# Altium PCB HSBNE-MOTOR.PcbDoc (part 2 of 2) (continued)
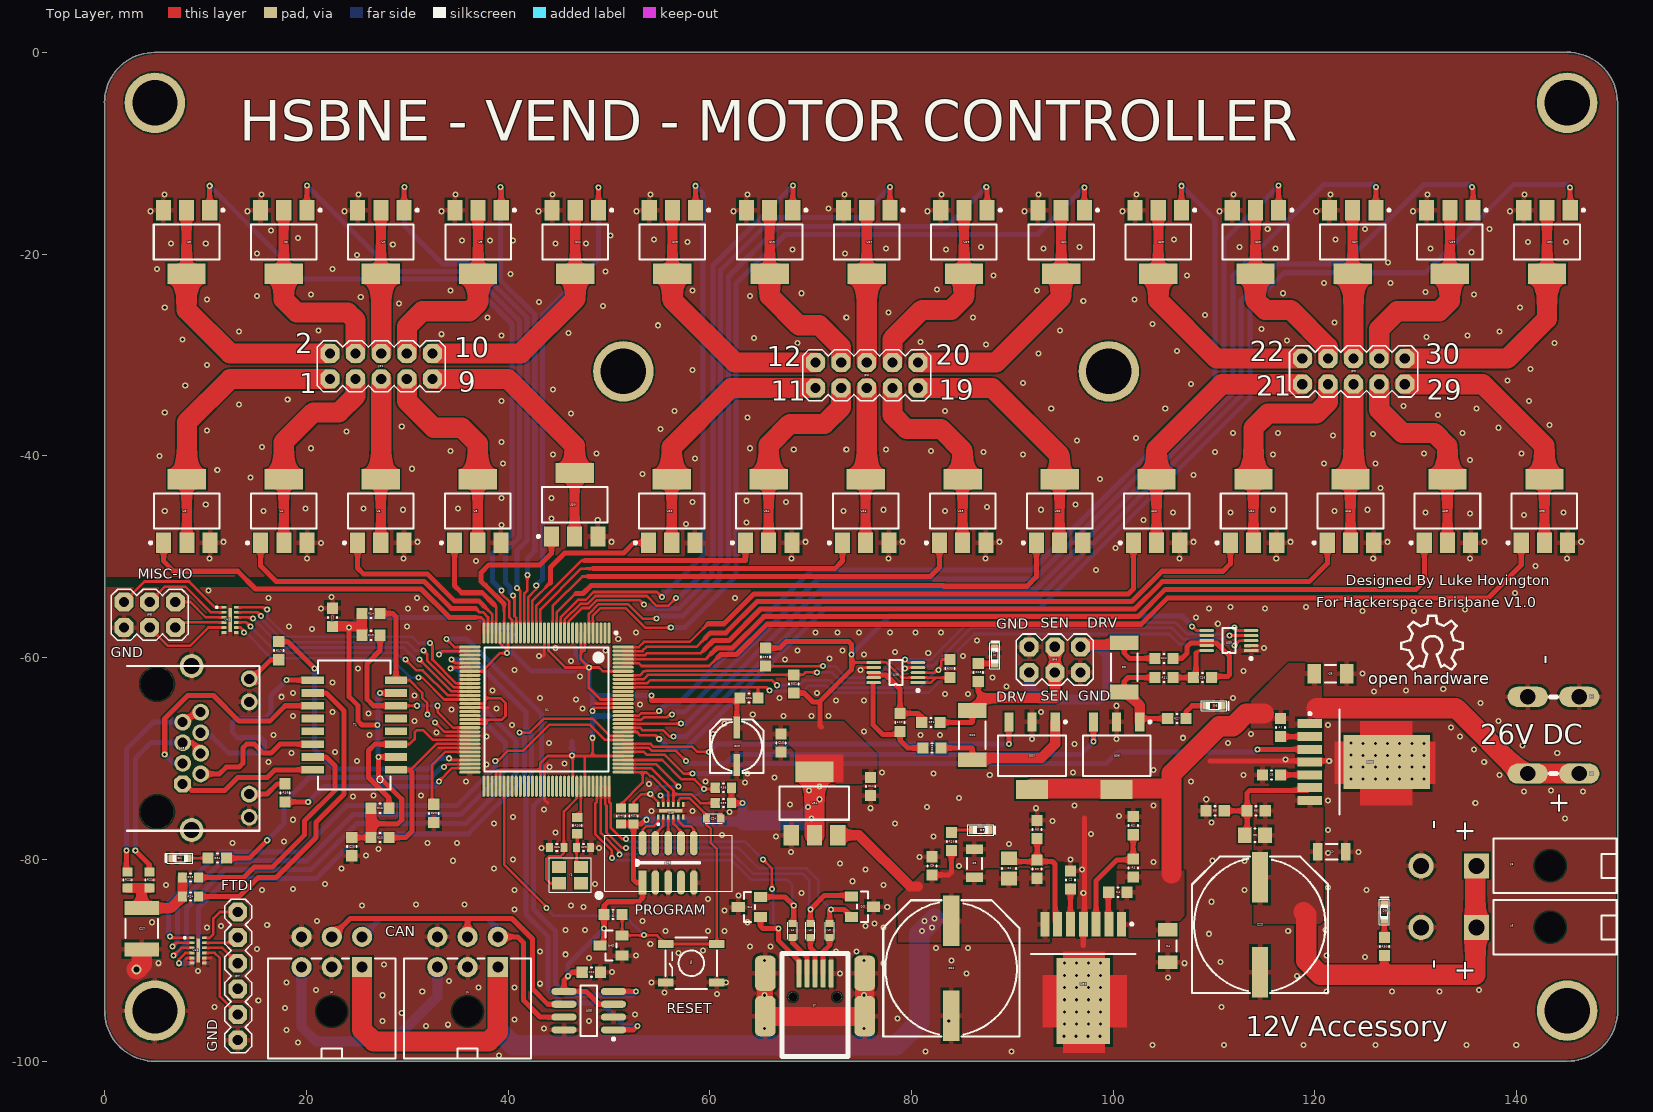
[diagram p0: Top Layer view]
## Nets (pads, with @x,y where several pads share a name; then routed paths per layer and width w, separated by ;. In a path a pad name is that pad's centre, name@x,y a point inside that pad or via, vN(x,y) a via of type N, cw(c..) or ccw(c..) an arc to the next point about the centre after c; other vN are vias at no path point) (continued)
MC24: U1.110 U25.1 | length 98
  Top Layer w0.254: U1.110@51.415,-66.151 53.229,-66.151 53.467,-65.913 55.753,-65.913 56.007,-65.659 v1(56.261,-65.659)
  Top Layer w0.5: U25.1@116.4,-15.646 116.4,-13.212 v1(116.405,-13.208)
  Bottom Layer w0.5: v1(56.261,-65.659) 56.515,-65.405 57.531,-65.405 70.739,-52.197 92.202,-52.197 110.998,-33.401 110.998,-18.615 v1(116.405,-13.208)
MC25: U1.126 U26.1 | length 75.6
  Top Layer w0.254: U1.126@51.415,-59.751 53.594,-59.751 ; 53.594,-59.747 53.778,-59.563 59.105,-59.563 59.486,-59.182
  Top Layer w0.5: 59.486,-59.182 60.372,-58.296 61.923,-58.296 65.034,-55.185 102.142,-55.185 104.857,-52.47 119.424,-52.47 121.221,-50.673 U26.1@121.221,-48.616
MC26: U1.109 U27.1 | length 106
  Top Layer w0.254: U1.109@51.415,-66.551 v1(57.147,-66.551)
  Top Layer w0.5: U27.1@126.034,-15.646 126.034,-13.357 v1(126.057,-13.335)
  Bottom Layer w0.5: v1(57.147,-66.551) 57.655,-66.551 70.971,-53.235 92.384,-53.235 111.886,-33.733 ; 111.887,-33.733 111.887,-22.098 120.904,-13.081 125.803,-13.081 v1(126.057,-13.335)
MC27: U1.125 U28.1 | length 86.4
  Top Layer w0.254: U1.125@51.415,-60.151 59.61,-60.151 60.198,-59.563
  Top Layer w0.5: 60.198,-59.563 60.711,-59.05 62.235,-59.05 65.346,-55.939 102.454,-55.939 105.169,-53.224 130.037,-53.224 130.835,-52.426 U28.1@130.835,-48.616
MC28: U1.108 U29.1 | length 115.2
  Top Layer w0.254: U1.108@51.415,-66.951 53.086,-66.951 53.318,-67.183 55.372,-67.183 56.007,-67.818 v1(56.388,-67.818)
  Top Layer w0.5: v1(135.582,-13.335) 135.668,-13.422 U29.1@135.668,-15.646
  Bottom Layer w0.5: v1(56.388,-67.818) 57.658,-67.818 71.374,-54.102 92.584,-54.102 112.649,-34.037 112.649,-24.638 116.332,-20.955 122.936,-20.955 130.81,-13.081 135.328,-13.081 v1(135.582,-13.335)
MC29: U1.124 U30.1 | length 95.5
  Top Layer w0.254: U1.124@51.415,-60.551 52.959,-60.551 ; 52.959,-60.555 53.237,-60.833 59.944,-60.833 60.833,-59.944
  Top Layer w0.5: 60.833,-59.944 61.077,-59.7 62.651,-59.7 65.658,-56.693 102.766,-56.693 105.357,-54.102 137.16,-54.102 140.448,-50.814 U30.1@140.448,-48.616
MC30: U1.107 U31.1 | length 125.5
  Top Layer w0.254: U1.107@51.415,-67.351 52.832,-67.351 52.832,-67.437 53.107,-67.712 54.631,-67.712 v1(54.991,-68.072)
  Top Layer w0.5: v1@145.234,-13.335 v1(145.302,-13.403) U31.1@145.302,-15.646
  Bottom Layer w0.5: v1(54.991,-68.072) 55.88,-68.961 57.658,-68.961 71.501,-55.118 92.71,-55.118 113.538,-34.29 113.538,-25.273 116.967,-21.844 130.937,-21.844 139.7,-13.081 144.98,-13.081 v1(145.302,-13.403)
MO1: JP1.1 U2.2 U2.4 | length 27.9
  Top Layer w1: U2.2@8.161,-48.616 U2.4@8.161,-42.316
  Top Layer w2: U2.4@8.161,-42.316 8.161,-36.67 12.446,-32.385 JP1.1@22.352,-32.385
MO2: JP1.2 U3.2 U3.4 | length 25.9
  Top Layer w1: U3.4@8.128,-21.946 U3.2@8.128,-15.646
  Top Layer w2: U3.4@8.128,-21.946 8.128,-25.527 12.446,-29.845 JP1.2@22.352,-29.845
MO3: JP1.3 U4.2 U4.4 | length 20.7
  Top Layer w1: U4.2@17.774,-48.616 U4.4@17.774,-42.316
  Top Layer w2: U4.4@17.774,-42.316 17.774,-38.614 20.701,-35.687 23.241,-35.687 24.892,-34.036 JP1.3@24.892,-32.385
MO4: JP1.4 U5.2 U5.4 | length 20.1
  Top Layer w1: U5.4@17.762,-21.946 U5.2@17.762,-15.646
  Top Layer w2: U5.4@17.762,-21.946 17.762,-24.493 19.05,-25.781 24.13,-25.781 24.892,-26.543 JP1.4@24.892,-29.845
MO5: JP1.5 U6.2 U6.4 | length 16.2
  Top Layer w1: U6.2@27.388,-48.616 U6.4@27.388,-42.316
  Top Layer w2: U6.4@27.388,-42.316 27.432,-42.272 JP1.5@27.432,-32.385
MO6: JP1.6 U7.2 U7.4 | length 14.2
  Top Layer w1: U7.4@27.396,-21.946 U7.2@27.396,-15.646
  Top Layer w2: U7.4@27.396,-21.946 27.432,-21.982 JP1.6@27.432,-29.845
MO7: JP1.7 U8.2 U8.4 | length 20.8
  Top Layer w1: U8.2@37.001,-48.616 U8.4@37.001,-42.316
  Top Layer w2: JP1.7@29.972,-32.385 29.972,-34.544 32.639,-37.211 35.433,-37.211 37.001,-38.779 U8.4@37.001,-42.316
MO8: JP1.8 U9.2 U9.4 | length 19.9
  Top Layer w1: U9.4@37.03,-21.946 U9.2@37.03,-15.646
  Top Layer w2: JP1.8@29.972,-29.845 29.972,-27.178 31.496,-25.654 36.195,-25.654 37.03,-24.819 U9.4@37.03,-21.946
MO9: JP1.9 U10.2 U10.4 | length 26.5
  Top Layer w1: U10.2@46.609,-48.26 U10.4@46.609,-41.96
  Top Layer w2: JP1.9@32.512,-32.385 40.005,-32.385 46.614,-38.994 U10.4@46.614,-42.316
MO10: JP1.10 U11.2 U11.4 | length 25.2
  Top Layer w1: U11.4@46.663,-21.946 U11.2@46.663,-15.646
  Top Layer w2: JP1.10@32.512,-29.845 41.275,-29.845 46.663,-24.457 U11.4@46.663,-21.946
MO11: JP2.1 U12.2 U12.4 | length 26.2
  Top Layer w1: U12.2@56.228,-48.616 U12.4@56.228,-42.316
  Top Layer w2: U12.4@56.228,-42.316 56.228,-39.149 62.103,-33.274 JP2.1@70.485,-33.274
MO12: JP2.2 U13.2 U13.4 | length 25.7
  Top Layer w1: U13.4@56.297,-21.946 U13.2@56.297,-15.646
  Top Layer w2: U13.4@56.297,-21.946 56.297,-24.547 62.484,-30.734 JP2.2@70.485,-30.734
MO13: JP2.3 U14.2 U14.4 | length 20.3
  Top Layer w1: U14.2@65.841,-48.616 U14.4@65.841,-42.316
  Top Layer w2: U14.4@65.841,-42.316 65.841,-38.934 67.945,-36.83 71.374,-36.83 73.025,-35.179 JP2.3@73.025,-33.274
MO14: JP2.4 U15.2 U15.4 | length 19.2
  Top Layer w1: U15.4@65.931,-21.946 U15.2@65.931,-15.646
  Top Layer w2: U15.4@65.931,-21.946 65.931,-24.148 68.834,-27.051 70.866,-27.051 73.025,-29.21 JP2.4@73.025,-30.734
MO15: JP2.5 U16.2 U16.4 | length 15.2
  Top Layer w1: U16.2@75.454,-48.616 U16.4@75.454,-42.316
  Top Layer w2: U16.4@75.565,-42.205 JP2.5@75.565,-33.274
MO16: JP2.6 U17.2 U17.4 | length 15.1
  Top Layer w1: U17.4@75.565,-21.946 U17.2@75.565,-15.646
  Top Layer w2: JP2.6@75.565,-30.734 U17.4@75.565,-21.946
MO17: JP2.7 U18.2 U18.4 | length 20.2
  Top Layer w1: U18.2@85.068,-48.616 U18.4@85.068,-42.316
  Top Layer w2: JP2.7@78.105,-33.274 78.105,-35.941 79.502,-37.338 82.931,-37.338 85.068,-39.475 U18.4@85.068,-42.316
MO18: JP2.8 U19.2 U19.4 | length 19.7
  Top Layer w1: U19.4@85.199,-21.946 U19.2@85.199,-15.646
  Top Layer w2: JP2.8@78.105,-30.734 78.105,-28.448 81.026,-25.527 83.947,-25.527 85.199,-24.275 U19.4@85.199,-21.946
MO19: JP2.9 U20.2 U20.4 | length 25.5
  Top Layer w1: U20.2@94.681,-48.616 U20.4@94.681,-42.316
  Top Layer w2: JP2.9@80.645,-33.274 88.011,-33.274 94.681,-39.944 U20.4@94.681,-42.316
MO20: JP2.10 U21.2 U21.4 | length 25.5
  Top Layer w1: U21.4@94.833,-21.946 U21.2@94.833,-15.646
  Top Layer w2: JP2.10@80.645,-30.734 88.392,-30.734 94.833,-24.293 U21.4@94.833,-21.946
MO21: JP3.1 U22.2 U22.4 | length 26.4
  Top Layer w1: U22.2@104.295,-48.616 U22.4@104.295,-42.316
  Top Layer w2: U22.4@104.295,-42.316 104.295,-39.342 110.744,-32.893 JP3.1@118.745,-32.893
MO22: JP3.2 U23.2 U23.4 | length 25.6
  Top Layer w1: U23.4@104.467,-21.946 U23.2@104.467,-15.646
  Top Layer w2: U23.4@104.467,-21.946 104.467,-24.584 110.236,-30.353 JP3.2@118.745,-30.353
MO23: JP3.3 U24.2 U24.4 | length 21.6
  Top Layer w1: U24.2@113.908,-48.616 U24.4@113.908,-42.316
  Top Layer w2: U24.4@113.908,-42.316 113.908,-37.222 115.316,-35.814 120.142,-35.814 121.285,-34.671 JP3.3@121.285,-32.893
MO24: JP3.4 U25.2 U25.4 | length 19.2
  Top Layer w1: U25.4@114.1,-21.946 U25.2@114.1,-15.646
  Top Layer w2: U25.4@114.1,-21.946 114.1,-24.565 115.062,-25.527 117.602,-25.527 121.285,-29.21 JP3.4@121.285,-30.353
MO25: JP3.5 U26.2 U26.4 | length 15.8
  Top Layer w1: U26.2@123.521,-48.616 U26.4@123.521,-42.316
  Top Layer w2: U26.4@123.521,-42.316 123.825,-42.012 JP3.5@123.825,-32.893
MO26: JP3.6 U27.2 U27.4 | length 14.7
  Top Layer w1: U27.4@123.734,-21.946 U27.2@123.734,-15.646
  Top Layer w2: U27.4@123.734,-21.946 123.825,-22.037 JP3.6@123.825,-30.353
MO27: JP3.7 U28.2 U28.4 | length 20.4
  Top Layer w1: U28.2@133.135,-48.616 U28.4@133.135,-42.316
  Top Layer w2: JP3.7@126.365,-32.893 126.365,-35.433 128.651,-37.719 131.826,-37.719 133.135,-39.028 U28.4@133.135,-42.316
MO28: JP3.8 U29.2 U29.4 | length 20.1
  Top Layer w1: U29.4@133.368,-21.946 U29.2@133.368,-15.646
  Top Layer w2: JP3.8@126.365,-30.353 126.365,-27.432 128.143,-25.654 132.334,-25.654 133.368,-24.62 U29.4@133.368,-21.946
MO29: JP3.9 U30.2 U30.4 | length 26
  Top Layer w1: U30.2@142.748,-48.616 U30.4@142.748,-42.316
  Top Layer w2: JP3.9@128.905,-32.893 136.652,-32.893 142.748,-38.989 U30.4@142.748,-42.316
MO30: JP3.10 U31.2 U31.4 | length 26.5
  Top Layer w1: U31.4@143.002,-21.946 U31.2@143.002,-15.646
  Top Layer w2: JP3.10@128.905,-30.353 139.065,-30.353 143.002,-26.416 U31.4@143.002,-21.946
NetC1_1: C1.1 R3.1 R5.2 U32.6 | length 13.1
  Top Layer w0.5: C1.1@89.662,-80.229 92.302,-80.229 R3.1@92.456,-80.075 ; R5.2@92.456,-77.938 92.456,-80.213 93.98,-80.213 94.234,-80.467 94.234,-86.166 U32.6@94.488,-86.42
NetC2_2: C2.2 U32.5 | length 3.8
  Top Layer w0.5: U32.5@95.758,-86.42 C2.2@95.758,-82.61
NetC5_1: C5.1 R6.1 R8.2 U33.6 | length 13
  Top Layer w0.5: R8.2@111.009,-75.184 R6.1@113.273,-75.184 ; C5.1@113.046,-77.597 113.273,-77.37 R6.1@113.273,-75.184 ; U33.6@119.491,-72.898 119.237,-73.152 113.538,-73.152 113.273,-73.417 R6.1@113.273,-75.184
NetC6_2: C6.2 U33.5 | length 2.9
  Top Layer w0.5: C6.2@116.597,-71.628 U33.5@119.491,-71.628
NetC25_2: C25.2 R20.2 Y1.1 | length 3.6
  Top Layer w0.254: R20.2@46.863,-77.357 46.863,-78.751 C25.2@46.798,-78.816 46.798,-80.326 Y1.1@47.244,-80.772
NetC26_2: C26.2 U1.88 Y1.3 | length 12.5
  Top Layer w0.254: Y1.3@45.044,-82.372 44.196,-82.372 43.815,-81.991 43.815,-79.959 44.069,-79.705 45.212,-79.705 45.531,-79.386 C26.2@45.531,-78.816 45.531,-75.246 46.815,-73.962 U1.88@46.815,-72.751
NetC27_1: C27.1 R21.2 R22.2 R23.2 R24.2 | length 10.4
  Top Layer w1: R22.2@2.286,-82.842 R21.2@4.445,-82.842 ; 3.683,-82.969 C27.1@3.683,-84.818 3.701,-84.836 6.566,-84.836 R24.2@7.709,-83.693 R23.2@7.709,-81.788
NetD1_1: D1.1 R34.1 | length 2
  Top Layer w0.254: D1.1@8.255,-79.883 R34.1@10.276,-79.883
NetD6_1: D6.1 R27.1 | length 2.9
  Top Layer w0.5: R27.1@107.199,-66.04 107.199,-65.394 107.823,-64.77 D6.1@109.22,-64.77
NetD7_1: D7.1 R28.1 | length 1.6
  Top Layer w0.5: R28.1@86.625,-60.579 D7.1@88.265,-60.579
NetD8_1: D8.1 R29.1 | length 1.9
  Top Layer w0.254: R29.1@84.19,-77.089 D8.1@86.106,-77.089
NetD9_1: D9.1 R30.1 | length 1.8
  Top Layer w0.5: R30.1@126.873,-87.746 D9.1@126.873,-85.979
NetJ7_2: J7.2 L1.2 | length 4.1
  Top Layer w0.5: L1.2@68.199,-87.76 68.199,-88.265 69.634,-89.7 J7.2@69.634,-91.313
NetJ7_3: J7.3 L2.2 | length 3.7
  Top Layer w0.5: L2.2@69.977,-87.76 69.977,-88.773 70.434,-89.23 J7.3@70.434,-91.313
NetJ7_4: J7.4 L3.2 | length 3.8
  Top Layer w0.5: J7.4@71.234,-91.313 71.234,-89.167 71.882,-88.519 L3.2@71.882,-87.76
NetJP5_4: JP5.4 JP5.5 R21.1 | length 19.7
  Top Layer w0.5: v1(3.047,-79.121) 4.445,-80.519 R21.1@4.445,-81.242 ; JP5.5@8,-68.434 8.73,-68.434 JP5.4@9.78,-69.484
  Bottom Layer w0.5: v1(3.047,-79.121) 3.047,-69.975 4.588,-68.434 JP5.5@8,-68.434
NetJP5_7: JP5.7 JP5.8 R22.1 | length 21.4
  Top Layer w0.5: v1(2.158,-79.121) 2.158,-81.114 R22.1@2.286,-81.242 ; JP5.7@8,-66.394 8.99,-65.404 JP5.8@9.78,-65.404
  Bottom Layer w0.5: v1(2.158,-79.121) 2.158,-69.086 4.85,-66.394 JP5.7@8,-66.394
NetR1_1: R1.1 R2.2 U32.3 | length 11.2
  Top Layer w0.5: U32.3@98.298,-86.42 98.298,-82.118 100.368,-80.048 R1.1@101.981,-80.048 ; R1.1@101.981,-79.948 R2.2@101.981,-77.557
NetR4_2: R4.2 U32.2 | length 3.4
  Top Layer w0.5: R4.2@99.503,-83.007 99.503,-86.355 U32.2@99.568,-86.42
NetR7_2: R7.2 U33.2 | length 2.9
  Top Layer w0.5: R7.2@116.586,-67.829 U33.2@119.48,-67.829
NetR20_1: R20.1 U1.89 | length 3.3
  Top Layer w0.254: R20.1@46.863,-75.857 46.863,-75.565 47.215,-75.213 U1.89@47.215,-72.751
NetR23_1: R23.1 T1.15 | length 23
  Top Layer w0.5: R23.1@9.309,-81.788 13.798,-81.788 14.814,-80.772 16.637,-80.772 19.812,-77.597 19.812,-76.2 22.86,-73.152 22.86,-70.739 21.971,-69.85 T1.15@20.637,-69.85
NetR24_1: R24.1 T1.10 | length 31.6
  Top Layer w0.5: R24.1@9.309,-83.693 13.335,-83.693 15.24,-81.788 17.018,-81.788 20.955,-77.851 20.955,-76.327 23.749,-73.533 23.749,-65.278 21.971,-63.5 T1.10@20.637,-63.5
NetR25_2: R25.2 U1.59 | length 8.2
  Top Layer w0.254: R25.2@32.639,-74.538 32.466,-74.365 32.466,-70.658 33.773,-69.351 U1.59@36.215,-69.351
PWR_OUT: R9.1 R11.1 R27.2 U36.1 | length 10.4
  Top Layer w0.5: R9.1@101.292,-63.41 R9.1@101.092,-63.41 101.092,-62.357 101.473,-61.976 R11.1@104.129,-61.976 ; U36.1@102.963,-66.04 R27.2@105.399,-66.04
  Top Layer w1: R9.1@101.292,-63.41 102.63,-64.748 U36.1@102.63,-66.373
R\S\T\: C24.2 R19.1 S1.3 S1.4 U1.70 U40.8 U43.2 | length 53.6
  Top Layer w0.254: U1.70@39.615,-72.751 39.615,-80.509 43.815,-84.709 v1(43.815,-84.836) ; U43.2@51.308,-87.535 54.769,-87.535 S1.4@55.626,-88.392 S1.3@60.706,-88.392 60.706,-78.994 60.108,-78.396 60.108,-76.999 59.687,-76.578 C24.2@59.687,-75.946 59.687,-75.61 58.014,-73.937 57.115,-73.937 56.884,-74.168 U40.8@56.884,-74.57 ; U43.2@51.319,-87.524 R19.1@51.319,-85.471
  Bottom Layer w0.254: v1(43.815,-84.836) 44.577,-85.598 51.562,-85.598 v1(53.467,-87.503)
RX_N: R14.1 T1.8 U1.54 | length 18.4
  Top Layer w0.254: T1.8@28.893,-62.23 30.226,-62.23 31.496,-63.5 31.496,-64.008 32.004,-64.516 v1(32.004,-65.659) ; v1(32.766,-66.421) 33.696,-67.351 U1.54@36.215,-67.351
  Top Layer w0.5: R14.1@27.316,-55.626 28.575,-55.626 28.893,-55.944 T1.8@28.893,-62.23
  Bottom Layer w0.254: v1(32.004,-65.659) v1(32.766,-66.421)
RX_P: R15.1 T1.6 U1.53 | length 18.6
  Top Layer w0.254: T1.6@28.893,-64.77 v1(30.988,-64.77) ; v1(33.02,-64.77) 33.02,-65.405 34.566,-66.951 U1.53@36.215,-66.951
  Top Layer w0.5: R15.1@27.316,-57.785 27.316,-59.298 26.035,-60.579 26.035,-64.135 26.67,-64.77 T1.6@28.893,-64.77
  Bottom Layer w0.254: v1(30.988,-64.77) v1(33.02,-64.77)
SEN_OUT: R10.1 R26.1 U37.1 | length 15.2
  Top Layer w0.5: R26.1@82.942,-68.961 85.979,-68.961 86.028,-69.01 86.028,-69.941 R10.1@86.028,-70.141
  Top Layer w1: R10.1@86.028,-69.941 92.873,-69.941 94.248,-68.566 U37.1@94.248,-66.373
TCK: R38.1 U1.100 U40.11 | length 15.9
  Top Layer w0.254: U1.100@51.415,-70.151 55.292,-70.151 57.219,-72.078 58.489,-72.078 v1(59.436,-73.025) 60.387,-73.025 R38.1@60.514,-72.898 ; v1(55.118,-73.66) 55.384,-73.926 U40.11@55.384,-74.57
  Bottom Layer w0.254: v1(55.118,-73.66) 58.801,-73.66 v1(59.436,-73.025)
TDCLK: JP8.2 U42.4 | length 5
  Top Layer w0.254: JP8.2@7.015,-57.023 7.527,-56.511 U42.4@11.832,-56.511
TDI: R39.2 U1.98 U40.9 | length 11.8
  Top Layer w0.254: U1.98@51.415,-70.951 54.187,-70.951 56.388,-73.152 56.384,-73.156 56.384,-73.533 ; U40.9@56.384,-74.57 56.384,-73.533 ; R39.2@60.514,-74.422 59.072,-74.422 58.183,-73.533 56.384,-73.533
TDO: R40.2 U1.97 U40.10 | length 11
  Top Layer w0.254: R40.2@51.181,-74.992 51.181,-74.549 53.34,-72.39 53.34,-71.351 ; U1.97@51.415,-71.351 53.34,-71.351 ; U40.10@55.884,-74.57 55.884,-73.362 54.277,-71.755 54.102,-71.755 53.698,-71.351 53.34,-71.351
TDR0: JP8.1 U42.3 | length 5.4
  Top Layer w0.254: JP8.1@7.015,-54.483 8.513,-54.483 10.033,-56.003 ; 10.033,-56.011 U42.3@11.832,-56.011
TDR1: JP8.3 U42.2 | length 9
  Top Layer w0.254: JP8.3@4.475,-54.483 5.999,-52.959 8.001,-52.959 10.553,-55.511 U42.2@11.832,-55.511
TDR2: JP8.5 U42.1 | length 11.8
  Top Layer w0.254: JP8.5@1.935,-54.483 3.967,-52.451 8.382,-52.451 10.942,-55.011 U42.1@11.832,-55.011
TDR3: JP8.4 U42.5 | length 8.8
  Top Layer w0.254: JP8.4@4.475,-57.023 6.253,-58.801 8.509,-58.801 10.299,-57.011 U42.5@11.832,-57.011
TMS: R37.1 U1.99 U40.12 | length 13.5
  Top Layer w0.254: U1.99@51.415,-70.551 54.676,-70.551 v1(56.896,-72.771) ; R37.1@52.451,-74.992 52.451,-74.295 53.213,-73.533 v1(54.102,-73.533) 54.884,-74.315 U40.12@54.884,-74.57
  Bottom Layer w0.254: v1(54.102,-73.533) 54.864,-72.771 v1(56.896,-72.771)
TRCLK: U1.45 U42.9 | length 26.2
  Top Layer w0.254: U42.9@13.06,-56.511 14.054,-56.511 v1(14.459,-56.915) ; v1(29.845,-60.197) 30.907,-61.26 31.542,-61.26 34.033,-63.751 U1.45@36.215,-63.751
  Bottom Layer w0.254: v1(14.459,-56.915) 17.075,-59.532 28.935,-59.532 29.6,-60.197 v1(29.845,-60.197)
TRD0: U1.44 U42.10 | length 26.2
  Top Layer w0.254: U42.10@13.06,-56.011 14.609,-56.011 v1(14.732,-56.134) ; v1(31.242,-60.198) 34.395,-63.351 U1.44@36.215,-63.351
  Bottom Layer w0.254: v1(14.732,-56.134) 17.591,-58.993 29.656,-58.993 30.861,-60.198 v1(31.242,-60.198)
TRD1: U1.43 U42.11 | length 26.8
  Top Layer w0.254: U42.11@13.06,-55.511 15.164,-55.511 v1(15.513,-55.861) ; v1(31.623,-59.309) 32.004,-59.69 32.004,-60.325 34.63,-62.951 U1.43@36.215,-62.951
  Bottom Layer w0.254: v1(15.513,-55.861) 15.513,-56.105 15.748,-56.34 15.748,-56.388 17.815,-58.455 29.968,-58.455 30.822,-59.309 v1(31.623,-59.309)
TRD2: U1.42 U42.12 | length 27.5
  Top Layer w0.254: U42.12@13.06,-55.011 15.719,-55.011 15.953,-55.245 v1(16.129,-55.245) ; v1(32.258,-58.547) 32.512,-58.801 32.512,-60.198 34.865,-62.551 U1.42@36.215,-62.551
  Bottom Layer w0.254: v1(16.129,-55.245) 16.129,-56.007 18.038,-57.916 30.484,-57.916 31.115,-58.547 v1(32.258,-58.547)
TRD3: U1.46 U42.8 | length 26.2
  Top Layer w0.254: U42.8@13.06,-57.011 13.499,-57.011 13.843,-57.355 v1(13.843,-57.531) ; v1(31.115,-61.976) 31.496,-61.976 33.671,-64.151 U1.46@36.215,-64.151
  Bottom Layer w0.254: v1(13.843,-57.531) 14.019,-57.531 16.559,-60.071 28.419,-60.071 30.324,-61.976 v1(31.115,-61.976)
TX_N: R16.1 T1.3 U1.56 | length 18.2
  Top Layer w0.254: T1.3@28.893,-68.58 30.226,-68.58 30.734,-68.072 30.734,-67.437 30.988,-67.183 31.592,-67.183 32.56,-68.151 U1.56@36.215,-68.151
  Top Layer w0.5: R16.1@28.205,-74.93 28.194,-74.919 28.194,-73.914 26.162,-71.882 26.162,-69.215 26.797,-68.58 T1.3@28.893,-68.58
TX_P: R13.1 T1.1 U1.57 | length 18.5
  Top Layer w0.254: T1.1@28.893,-71.12 30.353,-71.12 32.922,-68.551 U1.57@36.215,-68.551
  Top Layer w0.5: R13.1@28.205,-77.851 29.845,-77.851 30.48,-77.216 30.48,-71.374 30.226,-71.12 T1.1@28.893,-71.12
U3CTS: U1.106 U41.4 | length 62.9
  Top Layer w0.254: v1(7.366,-90.297) 7.366,-89.916 8.005,-89.277 U41.4@8.657,-89.277 ; v1(41.148,-67.437) 42.164,-67.437 43.561,-66.04 48.387,-66.04 50.098,-67.751 U1.106@51.415,-67.751
  Bottom Layer w0.5: v1(7.366,-90.297) 8.636,-90.297 9.332,-89.601 9.332,-84.775 12.192,-81.915 20.955,-81.915 25.4,-77.47 36.068,-77.47 41.656,-71.882 41.656,-67.945 v1(41.148,-67.437)
U3RTS: U1.105 U41.1 | length 59
  Top Layer w0.254: v1(6.477,-87.63) 6.624,-87.777 U41.1@8.657,-87.777 ; v1(38.735,-70.231) 38.989,-70.231 40.005,-69.215 41.529,-69.215 44.069,-66.675 48.133,-66.675 49.609,-68.151 U1.105@51.415,-68.151
  Bottom Layer w0.5: v1(6.477,-87.63) 6.35,-87.503 6.35,-84.328 11.43,-79.248 19.431,-79.248 24.003,-74.676 34.925,-74.676 38.735,-70.866 v1(38.735,-70.231)
U3RX: U1.37 U41.3 | length 62
  Top Layer w0.254: v1(6.858,-89.535) 7.616,-88.777 U41.3@8.657,-88.777 ; v1(34.417,-60.198) 34.77,-60.551 U1.37@36.215,-60.551
  Bottom Layer w0.5: v1(6.858,-89.535) 6.985,-89.535 8.128,-88.392 8.128,-84.836 11.938,-81.026 20.447,-81.026 25.019,-76.454 35.814,-76.454 40.767,-71.501 40.767,-68.199 36.195,-63.627 36.195,-61.087 35.306,-60.198 v1(34.417,-60.198)
U3TX: U1.38 U41.2 | length 59.3
  Top Layer w0.254: v1(6.731,-88.646) 7.1,-88.277 U41.2@8.657,-88.277 ; v1(34.29,-61.087) 34.29,-61.205 34.544,-60.951 U1.38@36.215,-60.951
  Bottom Layer w0.5: v1(6.731,-88.646) 7.239,-88.138 7.239,-84.582 11.684,-80.137 20.066,-80.137 24.638,-75.565 35.306,-75.565 39.751,-71.12 39.751,-68.453 35.306,-64.008 35.306,-61.468 34.925,-61.087 v1(34.29,-61.087)
USB_ID: D3.2 L3.1 U1.95 | length 34.8
  Top Layer w0.254: U1.95@49.615,-72.751 49.638,-72.774 49.638,-74.549 49.761,-74.672 49.761,-77.32 51.308,-78.867 v1(51.689,-78.867)
  Top Layer w0.5: L3.1@71.882,-86.36 71.882,-85.09 v1(72.009,-84.963) 73.311,-84.963 D3.2@74.041,-85.693
  Bottom Layer w0.254: v1(51.689,-78.867) 62.865,-78.867 64.897,-80.899 69.596,-80.899 70.739,-82.042 70.739,-83.693 v1(72.009,-84.963)
USB_N: D4.2 L1.1 U1.93 | length 34.4
  Top Layer w0.254: 48.799,-74.295 48.641,-74.453 48.641,-77.47 50.292,-79.121 v1(50.292,-79.883) ; 48.815,-74.295 U1.93@48.815,-72.751
  Top Layer w0.5: D4.2@65.024,-83.725 67.469,-83.725 v1(68.326,-84.582) 68.326,-86.233 L1.1@68.199,-86.36
  Bottom Layer w0.254: v1(50.292,-79.883) 50.488,-80.079 62.172,-80.079 64.135,-82.042 67.691,-82.042 68.199,-82.55 v1@68.199,-84.582
USB_P: D3.1 L2.1 U1.94 | length 36.4
  Top Layer w0.254: U1.94@49.215,-72.751 49.203,-72.763 49.203,-77.397 51.054,-79.248 v1(51.054,-79.502)
  Top Layer w0.5: L2.1@69.977,-86.36 v1(69.977,-84.963) 71.374,-83.566 73.914,-83.566 D3.1@74.041,-83.693
  Bottom Layer w0.254: v1(51.054,-79.502) 62.357,-79.502 64.262,-81.407 69.215,-81.407 69.85,-82.042 v1@69.85,-84.963
USB_VBUS: D4.1 J7.1 U1.96 | length 36.1
  Top Layer w0.254: U1.96@50.015,-72.751 50.015,-74.295 50.165,-74.445 50.165,-76.835 51.308,-77.978 v1(51.689,-77.978) ; v1(65.278,-80.01) 66.167,-80.899 v1(66.167,-82.931)
  Top Layer w0.5: D4.1@65.024,-85.725 65.024,-86.614 65.278,-86.868 v1(66.802,-86.868) 66.802,-88.011 68.834,-90.043 J7.1@68.834,-91.313
  Bottom Layer w0.254: v1(51.689,-77.978) 51.943,-78.232 63.5,-78.232 v1(65.278,-80.01) ; v1@66.294,-82.931 66.294,-86.36 v1(66.802,-86.868)
pads on no net: J1.7 J2.7 J5.A J6.A J7.X J7.Y JP5. JP6.7 JP7.4 T1.4 T1.5 T1.12 T1.13 U1.1 U1.2 U1.3 U1.4 U1.9 U1.35 U1.36 U1.40 U1.41 U1.49 U1.50 U1.60 U1.65 U1.66 U1.67 U1.71 U1.72 U1.73 U1.74 U1.75 U1.76 U1.77 U1.78 U1.81 U1.82 U1.83 U1.84 U1.85 U1.86 U1.91 U1.92 U1.112 U1.116 U1.117 U1.123 Y1.2 Y1.4

## Polygon pours and split planes (outlines as drawn)
3V3 on Top Layer "Keep-Out Layer-No Net" (solid, remove dead copper, pour order 8): 68.58,-72.517 76.581,-72.517 76.581,-69.596 74.295,-67.31 73.28,-66.295 71.359,-66.295 62.29,-66.295 62.209,-66.375 62.209,-68.184 67.422,-68.184 68.453,-69.215
CAN-12V on Top Layer "Keep-Out Layer-No Net" (solid, remove dead copper, pour order 9): 78.686,-88.216 91.391,-88.216 93.726,-88.216 93.726,-81.026 81.407,-81.026 78.613,-83.82
26V on Top Layer "Keep-Out Layer-No Net" (solid, remove dead copper, pour order 10): 98.171,-87.757 104.902,-87.757 107.061,-85.598 107.061,-81.153 99.187,-81.153 98.171,-82.169
26V on Top Layer "Keep-Out Layer-No Net" (solid, remove dead copper, pour order 11): 120.66,-66.922 120.66,-60.599 120.714,-60.545 120.68,-60.579 117.348,-60.579 113.665,-64.262 113.665,-67.04
AUX_12V on Top Layer "Keep-Out Layer-No Net" (solid, remove dead copper, pour order 13): 113.284,-73.152 113.611,-72.825 120.796,-72.825 120.796,-86.087 120.777,-86.106 120.508,-86.375 113.919,-86.375 113.919,-75.184 113.75,-75.015
GND on Top Layer "Keep-Out Layer-No Net" (solid, remove dead copper, pour order 19): 0,0 0,-99.949 149.987,-99.949 149.987,0
GND on Bottom Layer "Keep-Out Layer-No Net" (solid, remove dead copper, pour order 21): 0,0 149.987,0 149.987,-100.076 149.911,-100 0,-100

## Keep-outs
Keep-Out Layer:
  lines w0.1: -0.013,-5.004 cw(c4.987,-5.004) 4.987,-0.004 ; 0,-95 0,-5 ; 0.004,-95.013 ccw(c5.004,-95.013) 5.004,-100.013 ; 5,-100 145,-100 ; 5,0 145,0 ; 144.996,0.013 cw(c144.996,-4.987) 149.996,-4.987 ; 145.013,-99.996 ccw(c145.013,-94.996) 150.013,-94.996 ; 150,-95 150,-5

## Other copper
Top Layer:
  rectangle net 3V3: 68.468,-72.39 73.279,-69.596
  region net GND: 124.46,-66.294 124.46,-74.676 129.667,-74.676 129.667,-66.294
  region net GND: 121.92,-68.326 121.92,-72.517 131.953,-72.517 131.953,-68.326
  rectangle net GND: 94.996,-99.187 99.187,-89.154
  rectangle net GND: 92.964,-96.647 101.346,-91.44
  rectangle net GND: 113.03,-59.059 113.665,-58.801
  rectangle net GND: 65.786,-96.52 75.057,-94.615
  rectangle net GND: 64.643,-95.377 66.294,-91.059
  rectangle net GND: 74.422,-94.996 76.327,-91.567
  pour cut-out: 93.726,-80.213 93.726,-87.757 95.885,-87.757 95.758,-87.63 95.758,-86.995 97.155,-86.995 97.282,-87.122 98.298,-87.122 98.298,-87.63 98.393,-87.725 100.33,-87.725 100.33,-80.652 98.298,-82.684 98.298,-86.106 96.393,-86.106 96.393,-81.921 95.13,-81.656 95.13,-80.213
  pour cut-out: 115.951,-66.949 115.951,-69.088 118.618,-69.088 118.745,-69.215 118.745,-70.993 115.443,-70.993 115.443,-73.152 113.538,-73.152 113.538,-73.533 120.796,-73.533 120.796,-71.628 120.015,-71.628 119.888,-71.501 119.888,-69.596 120.142,-69.342 120.796,-69.342 120.796,-66.948
  pour cut-out: -3,-52 72,-52 72,-53 -3,-53
Bottom Layer:
  pour cut-out: -3,-52 72,-52 72,-53 -3,-53

## Silkscreen, mask and mechanical layers (free items; w line width, h text height)
Top Overlay:
  circle w0.6: c49.022,-83.566 r0.15
  lines w0.254: 128.57,-59.141 129.332,-59.268 129.713,-60.03 129.205,-60.665 129.713,-61.163 130.348,-60.792 130.729,-60.919 131.135,-59.649 cw(c131.644,-58.827) 132.08,-59.69 132.507,-60.919 132.824,-60.731 133.523,-61.173 133.965,-60.66 133.574,-60.046 133.904,-59.268 134.666,-59.141 134.666,-58.506 133.777,-58.252 133.523,-57.49 134.031,-56.855 133.518,-56.342 132.761,-56.855 132.126,-56.606 131.999,-55.839 131.237,-55.844 131.11,-56.622 130.459,-56.886 129.761,-56.439 129.268,-56.932 129.682,-57.612 129.459,-58.252 128.57,-58.506 128.57,-59.141
  text "HSBNE - VEND - MOTOR CONTROLLER" at 13.335,-8.763 h4
  text "2" at 18.923,-29.845 h2
  text "10" at 34.671,-30.226 h2
  text "22" at 113.538,-30.607 h2
  text "30" at 130.937,-30.861 h2
  text "20" at 82.423,-30.988 h2
  text "12" at 65.659,-31.115 h2
  text "9" at 35.052,-33.655 h2
  text "1" at 19.304,-33.782 h2
  text "21" at 114.173,-34.036 h2
  text "19" at 82.677,-34.417 h2
  text "29" at 131.064,-34.417 h2
  text "11" at 66.04,-34.544 h2
  text "MISC-IO" at 3.302,-52.197 h1
  text "Designed By Luke Hovington" at 123.063,-52.832 h1
  text "For Hackerspace Brisbane V1.0" at 120.142,-54.991 h1
  text "SEN" at 92.837,-57.023 h1
  text "DRV" at 97.409,-57.023 h1
  text "GND" at 88.392,-57.15 h1
  text "-" at 142.113,-59.69 h2 r270
  text "GND" at 0.635,-59.944 h1
  text "open hardware" at 125.28,-63.031 h2
  text "SEN" at 92.837,-64.262 h1
  text "GND" at 96.52,-64.262 h1
  text "DRV" at 88.392,-64.389 h1
  text "26V DC" at 136.398,-68.58 h2
  text "+" at 145.034,-75.565 h2 r90
  text "+ / -" at 131.064,-76.073 h2 r270
  text "FTDI" at 11.557,-83.058 h1
  text "PROGRAM" at 52.578,-85.471 h1
  text "CAN" at 27.813,-87.63 h1
  text "+ / -" at 131.064,-89.916 h2 r270
  text "RESET" at 55.753,-95.25 h1
  text "12V Accessory" at 113.157,-97.536 h2
  text "GND" at 11.176,-99.06 h1 r90
Top Solder:
  rectangle: 118.237,-73.787 120.777,-66.421
  rectangle: 93.091,-87.757 100.838,-85.09
  rectangle: 68.834,-92.837 72.009,-89.789